# Altium PCB LB-word-PCB.PcbDoc (part 1 of 4) (continued)
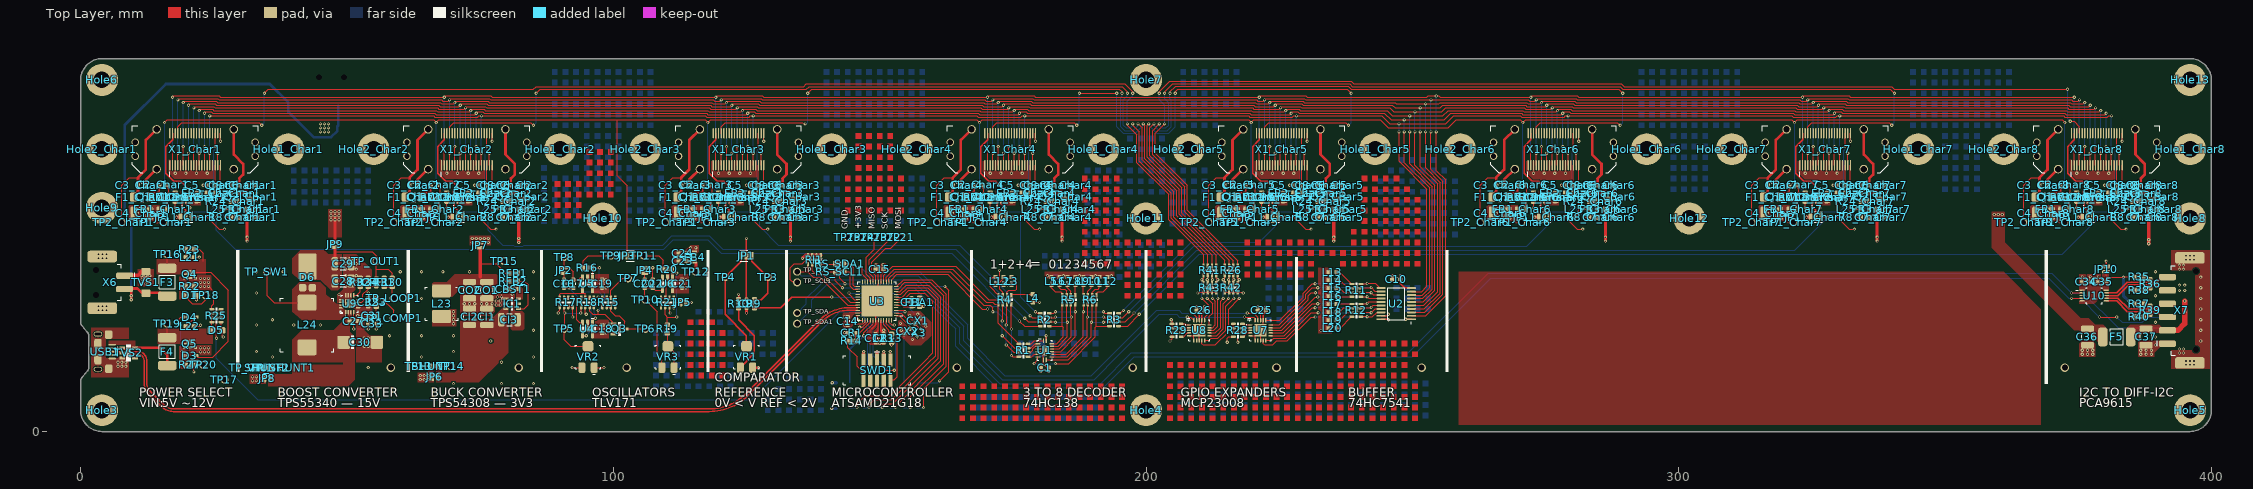
[diagram p0: Top Layer view]
## Components (designator, comment, footprint, x,y, rotation, side; value= is the part's Value field where it differs from the comment) (continued)
F2_Char7 "PTC" PTC0603 335,44.75 r180 top (schematic designator F2)
F2_Char8 "PTC" PTC0603 386,44.75 r180 top (schematic designator F2)
F3 "PTC" 1812 16.25,28.05 r90 top
F4 "PTC" 1812 16.25,15 r90 top
F5 "PTC" 1812 382.25,17.75 r0 top
FB1_Char1 "FB" F0603_N 15.5,41.75 r0 top (schematic designator FB1)
FB1_Char2 "FB" F0603_N 66.5,41.75 r0 top (schematic designator FB1)
FB1_Char3 "FB" F0603_N 117.5,41.75 r0 top (schematic designator FB1)
FB1_Char4 "FB" F0603_N 168.5,41.75 r0 top (schematic designator FB1)
FB1_Char5 "FB" F0603_N 219.5,41.75 r0 top (schematic designator FB1)
FB1_Char6 "FB" F0603_N 270.5,41.75 r0 top (schematic designator FB1)
FB1_Char7 "FB" F0603_N 321.5,41.75 r0 top (schematic designator FB1)
FB1_Char8 "FB" F0603_N 372.5,41.75 r0 top (schematic designator FB1)
FB2_Char1 "FB" F0603_N 24.5,44.75 r0 top (schematic designator FB2)
FB2_Char2 "FB" F0603_N 75.5,44.75 r0 top (schematic designator FB2)
FB2_Char3 "FB" F0603_N 126.5,44.75 r0 top (schematic designator FB2)
FB2_Char4 "FB" F0603_N 177.5,44.75 r0 top (schematic designator FB2)
FB2_Char5 "FB" F0603_N 228.5,44.75 r0 top (schematic designator FB2)
FB2_Char6 "FB" F0603_N 279.5,44.75 r0 top (schematic designator FB2)
FB2_Char7 "FB" F0603_N 330.5,44.75 r0 top (schematic designator FB2)
FB2_Char8 "FB" F0603_N 381.5,44.75 r0 top (schematic designator FB2)
FB3_Char1 "FB" F0603_N 32,41.75 r0 top (schematic designator FB3)
FB3_Char2 "FB" F0603_N 83,41.75 r0 top (schematic designator FB3)
FB3_Char3 "FB" F0603_N 134,41.75 r0 top (schematic designator FB3)
FB3_Char4 "FB" F0603_N 185,41.75 r0 top (schematic designator FB3)
FB3_Char5 "FB" F0603_N 236,41.75 r0 top (schematic designator FB3)
FB3_Char6 "FB" F0603_N 287,41.75 r0 top (schematic designator FB3)
FB3_Char7 "FB" F0603_N 338,41.75 r0 top (schematic designator FB3)
FB3_Char8 "FB" F0603_N 389,41.75 r0 top (schematic designator FB3)
FB4 "Ferrite Bead" F0603_N 115.25,32.75 r90 top
FBA1 "FB" F0603_N 157.5,24.25 r270 top
Hole1_Char1 "" "M3 PLATED HOLE" 39,53 r90 top (schematic designator Hole1)
Hole1_Char2 "" "M3 PLATED HOLE" 90,53 r90 top (schematic designator Hole1)
Hole1_Char3 "" "M3 PLATED HOLE" 141,53 r90 top (schematic designator Hole1)
Hole1_Char4 "" "M3 PLATED HOLE" 192,53 r90 top (schematic designator Hole1)
Hole1_Char5 "" "M3 PLATED HOLE" 243,53 r90 top (schematic designator Hole1)
Hole1_Char6 "" "M3 PLATED HOLE" 294,53 r90 top (schematic designator Hole1)
Hole1_Char7 "" "M3 PLATED HOLE" 345,53 r90 top (schematic designator Hole1)
Hole1_Char8 "" "M3 PLATED HOLE" 396,53 r90 top (schematic designator Hole1)
Hole2_Char1 "" "M3 PLATED HOLE" 4,53 r90 top (schematic designator Hole2)
Hole2_Char2 "" "M3 PLATED HOLE" 55,53 r90 top (schematic designator Hole2)
Hole2_Char3 "" "M3 PLATED HOLE" 106,53 r90 top (schematic designator Hole2)
Hole2_Char4 "" "M3 PLATED HOLE" 157,53 r90 top (schematic designator Hole2)
Hole2_Char5 "" "M3 PLATED HOLE" 208,53 r90 top (schematic designator Hole2)
Hole2_Char6 "" "M3 PLATED HOLE" 259,53 r90 top (schematic designator Hole2)
Hole2_Char7 "" "M3 PLATED HOLE" 310,53 r90 top (schematic designator Hole2)
Hole2_Char8 "" "M3 PLATED HOLE" 361,53 r90 top (schematic designator Hole2)
Hole3 "=Footprint" "M3 PLATED HOLE" 4,4 r0 top
Hole4 "=Footprint" "M3 PLATED HOLE" 200,4 r0 top
Hole5 "=Footprint" "M3 PLATED HOLE" 396,4 r0 top
Hole6 "=Footprint" "M3 PLATED HOLE" 4,66 r0 top
Hole7 "=Footprint" "M3 PLATED HOLE" 200,66 r0 top
Hole8 "=Footprint" "M3 Plated Hole" 396,40 r0 top
Hole9 "=Footprint" "M3 Plated Hole" 4,42 r0 top
Hole10 "=Footprint" "M3 Plated Hole" 98,40 r0 top
Hole11 "=Footprint" "M3 Plated Hole" 200,40 r0 top
Hole12 "=Footprint" "M3 Plated Hole" 302,40 r0 top
Hole13 "=Footprint" "M3 PLATED HOLE" 396,66 r0 top
IC1 "TPS54308" SOT23 81,24 r0 top
JP1 "Jumper 3W" "JUMPER SMD 3W NO" 125,33 r0 top
JP2 "Jumper 2W" "JUMPER SMD 2W NO" 90.75,30.25 r90 top
JP3 "Jumper 3W" "JUMPER SMD 3W NO" 102.65,33 r180 top
JP4 "Jumper 2W" "JUMPER SMD 2W NO" 105.9,30.25 r270 top
JP5 "Jumper 2W" "JUMPER SMD 2W NO" 113.15,24.25 r180 top
JP6 "Jumper 2W" "JUMPER SMD 2W NO" 66.5,10.25 r0 top
JP7 "Jumper 2W" "JUMPER SMD 2W NO" 75,35 r90 top
JP8 "Jumper 2W" "JUMPER SMD 2W NO" 35,10 r0 top
JP9 "Jumper 2W" "JUMPER SMD 2W NO" 47.75,35.125 r90 top
JP10 "Jumper 2W" "JUMPER SMD 2W NO" 380.25,30.5 r270 top
JP11_Char1 "Jumper 3W" "Jumper SMD 3W NO" 19.75,40.25 r180 top (schematic designator JP11)
JP11_Char2 "Jumper 3W" "Jumper SMD 3W NO" 70.75,40.25 r180 top (schematic designator JP11)
JP11_Char3 "Jumper 3W" "Jumper SMD 3W NO" 121.75,40.25 r180 top (schematic designator JP11)
JP11_Char4 "Jumper 3W" "Jumper SMD 3W NO" 172.75,40.25 r180 top (schematic designator JP11)
JP11_Char5 "Jumper 3W" "Jumper SMD 3W NO" 223.75,40.25 r180 top (schematic designator JP11)
JP11_Char6 "Jumper 3W" "Jumper SMD 3W NO" 274.75,40.25 r180 top (schematic designator JP11)
JP11_Char7 "Jumper 3W" "Jumper SMD 3W NO" 325.75,40.25 r180 top (schematic designator JP11)
JP11_Char8 "Jumper 3W" "Jumper SMD 3W NO" 376.75,40.25 r180 top (schematic designator JP11)
L1 "LED" "LED 0603/1608" 171.75,28.25 r270 top
L2 "LED" "LED 0603/1608" 173.25,28.25 r270 top
L3 "LED" "LED 0603/1608" 174.75,28.25 r270 top
L4 "LED" "LED 0603/1608" 178.75,25 r270 top
L5 "LED" "LED 0603/1608" 182.25,28.25 r270 top
L6 "LED" "LED 0603/1608" 183.75,28.25 r270 top
L7 "LED" "LED 0603/1608" 185.25,28.25 r270 top
L8 "LED" "LED 0603/1608" 186.75,28.25 r270 top
L9 "LED" "LED 0603/1608" 188.25,28.25 r270 top
L10 "LED" "LED 0603/1608" 189.75,28.25 r270 top
L11 "LED" "LED 0603/1608" 191.25,28.25 r270 top
L12 "LED" "LED 0603/1608" 192.75,28.25 r270 top
L13 "LED" "LED 0603/1608" 235,29.925 r180 top
L14 "LED" "LED 0603/1608" 235,28.425 r180 top
L15 "LED" "LED 0603/1608" 235,26.925 r180 top
L16 "LED" "LED 0603/1608" 235,25.425 r180 top
L17 "LED" "LED 0603/1608" 235,23.925 r180 top
L18 "LED" "LED 0603/1608" 235,22.425 r180 top
L19 "LED" "LED 0603/1608" 235,20.925 r180 top
L20 "LED" "LED 0603/1608" 235,19.425 r180 top
L21 "LED" "LED 0603/1608" 20.5,32.75 r0 top
L22 "LED" "LED 0603/1608" 20.5,19.75 r180 top
L23 "SRP7028" "INDUCTOR SRP7028" 67.75,24 r90 top value=15uH
L24 "Inductor" "INDUCTOR SRP1040" 42.5,20 r90 top
L25_Char1 "LED" "LED 0603/1608" 29,41.75 r180 top (schematic designator L25)
L25_Char2 "LED" "LED 0603/1608" 80,41.75 r180 top (schematic designator L25)
L25_Char3 "LED" "LED 0603/1608" 131,41.75 r180 top (schematic designator L25)
L25_Char4 "LED" "LED 0603/1608" 182,41.75 r180 top (schematic designator L25)
L25_Char5 "LED" "LED 0603/1608" 233,41.75 r180 top (schematic designator L25)
L25_Char6 "LED" "LED 0603/1608" 284,41.75 r180 top (schematic designator L25)
L25_Char7 "LED" "LED 0603/1608" 335,41.75 r180 top (schematic designator L25)
L25_Char8 "LED" "LED 0603/1608" 386,41.75 r180 top (schematic designator L25)
Q1_Char1 "SIA483DJ-T1-GE3" SC70-6L 15.5,44 r90 top (schematic designator Q1)
Q1_Char2 "SIA483DJ-T1-GE3" SC70-6L 66.5,44 r90 top (schematic designator Q1)
Q1_Char3 "SIA483DJ-T1-GE3" SC70-6L 117.5,44 r90 top (schematic designator Q1)
Q1_Char4 "SIA483DJ-T1-GE3" SC70-6L 168.5,44 r90 top (schematic designator Q1)
Q1_Char5 "SIA483DJ-T1-GE3" SC70-6L 219.5,44 r90 top (schematic designator Q1)
Q1_Char6 "SIA483DJ-T1-GE3" SC70-6L 270.5,44 r90 top (schematic designator Q1)
Q1_Char7 "SIA483DJ-T1-GE3" SC70-6L 321.5,44 r90 top (schematic designator Q1)
Q1_Char8 "SIA483DJ-T1-GE3" SC70-6L 372.5,44 r90 top (schematic designator Q1)
Q2_Char1 "SIA483DJ-T1-GE3" SC70-6L 32,44 r90 top (schematic designator Q2)
Q2_Char2 "SIA483DJ-T1-GE3" SC70-6L 83,44 r90 top (schematic designator Q2)
Q2_Char3 "SIA483DJ-T1-GE3" SC70-6L 134,44 r90 top (schematic designator Q2)
Q2_Char4 "SIA483DJ-T1-GE3" SC70-6L 185,44 r90 top (schematic designator Q2)
Q2_Char5 "SIA483DJ-T1-GE3" SC70-6L 236,44 r90 top (schematic designator Q2)
Q2_Char6 "SIA483DJ-T1-GE3" SC70-6L 287,44 r90 top (schematic designator Q2)
Q2_Char7 "SIA483DJ-T1-GE3" SC70-6L 338,44 r90 top (schematic designator Q2)
Q2_Char8 "SIA483DJ-T1-GE3" SC70-6L 389,44 r90 top (schematic designator Q2)
Q3 "MOSFET N CH" SOT23_N 101.15,19.25 r0 top
Q4 "SIA483DJ-T1-GE3" SC70-6L 20.5,29.55 r270 top
Q5 "SIA483DJ-T1-GE3" SC70-6L 20.5,16.5 r270 top
R1 "YC164; 220R" YC164 177,15.25 r270 top value=220R
R2 "YC164; 220R" YC164 181,21 r90 top value=220R
R3 "YC164; 220R" YC164 194,21 r270 top value=220R
R4 "YC164; 1k" YC164 173.5,24.75 r0 top value=1k
R5 "YC164; 1k" YC164 185.5,24.75 r0 top value=1k
R6 "YC164; 1k" YC164 189.5,24.75 r0 top value=1k
R7_Char1 "10k" R0603 17.75,44 r90 top (schematic designator R7)
R7_Char2 "10k" R0603 68.75,44 r90 top (schematic designator R7)
R7_Char3 "10k" R0603 119.75,44 r90 top (schematic designator R7)
R7_Char4 "10k" R0603 170.75,44 r90 top (schematic designator R7)
R7_Char5 "10k" R0603 221.75,44 r90 top (schematic designator R7)
R7_Char6 "10k" R0603 272.75,44 r90 top (schematic designator R7)
R7_Char7 "10k" R0603 323.75,44 r90 top (schematic designator R7)
R7_Char8 "10k" R0603 374.75,44 r90 top (schematic designator R7)
R8_Char1 "10k" R0603 29,40.25 r0 top (schematic designator R8)
R8_Char2 "10k" R0603 80,40.25 r0 top (schematic designator R8)
R8_Char3 "10k" R0603 131,40.25 r0 top (schematic designator R8)
R8_Char4 "10k" R0603 182,40.25 r0 top (schematic designator R8)
R8_Char5 "10k" R0603 233,40.25 r0 top (schematic designator R8)
R8_Char6 "10k" R0603 284,40.25 r0 top (schematic designator R8)
R8_Char7 "10k" R0603 335,40.25 r0 top (schematic designator R8)
R8_Char8 "10k" R0603 386,40.25 r0 top (schematic designator R8)
R9 "1k" R0603 126.5,24 r90 top
R10 "1k" R0603 123.5,24 r270 top
R11 "YC164; 1k" YC164 239.5,26.5 r90 top value=1k
R12 "YC164; 1k" YC164 239.5,22.75 r90 top value=1k
R13 "10k" R0603 152.25,17.5 r270 top
R14 "330R" R0603 144.75,17 r0 top
R15 "YC164; 100k" YC164 99.15,24.25 r0 top value=100k
R16 "120R" R0603 95.15,30.75 r180 top
R17 "YC164; 100k" YC164 91.15,24.25 r0 top value=100k
R18 "YC164; 100k" YC164 95.15,24.25 r0 top value=100k
R19 "1k" R0603 110.15,19.25 r90 top
R20 "120R" R0603 110.15,30.5 r180 top
R21 "YC164; 100k" YC164 110.15,24.25 r0 top value=100k
R22 "10k" R0603 20.5,27.3 r0 top
R23 "10k" R0603 20.5,34.25 r0 top
R24_Char1 "10k" R0603 29,43.25 r180 top (schematic designator R24)
R24_Char2 "10k" R0603 80,43.25 r180 top (schematic designator R24)
R24_Char3 "10k" R0603 131,43.25 r180 top (schematic designator R24)
R24_Char4 "10k" R0603 182,43.25 r180 top (schematic designator R24)
R24_Char5 "10k" R0603 233,43.25 r180 top (schematic designator R24)
R24_Char6 "10k" R0603 284,43.25 r180 top (schematic designator R24)
R24_Char7 "10k" R0603 335,43.25 r180 top (schematic designator R24)
R24_Char8 "10k" R0603 386,43.25 r180 top (schematic designator R24)
R25 "YC164; 10k" YC164 25.5,21.75 r270 top value=10k
R26 "YC164; 4k7" YC164 216,30.25 r0 top value=4k7
R27 "10k" R0603 20.5,12.5 r180 top
R28 "YC164; 2k" YC164 217.25,19 r270 top value=2k
R29 "YC164; 2k" YC164 205.75,19 r270 top value=2k
R30 "50R" R0603 58.5,28 r90 top
R31 "112k" R0603 57,28 r270 top
R32 "78k7" R0603 52.5,28 r270 top
R33 "2k5" R0603 55.5,24.25 r90 top
R34 "10k" R0603 54,28 r270 top
R35 "600" R0603 386.5,29.027 r180 top
R36 "120R" R0603 388.5,27.75 r90 top
R37 "600" R0603 386.5,24.027 r180 top
R38 "600" R0603 386.5,26.527 r0 top
R39 "120R" R0603 388.5,22.777 r90 top
R40 "600" R0603 386.5,21.527 r0 top
R41 "YC164; 4k7" YC164 212,30.25 r0 top value=4k7
R42 "YC164; 2k" YC164 216,27 r0 top value=2k
R43 "YC164; 2k" YC164 212,27 r0 top value=2k
RFB1 "100k" R0603 81.25,29.75 r180 top
RFB2 "22k" R0603 81.25,28.25 r0 top
RI1 "YC164; 4k7" YC164 137.75,32.25 r0 top value=4k7
RS_SCL1 "RsI2C" R0603 142.5,30 r180 top
RS_SDA1 "RsI2C" R0603 142.5,31.5 r180 top
SHUNT1 "0R5" R0603 66.5,12.25 r0 top
SHUNT2 "0R5" R0603 35,12 r0 top
SWD1 "20021521-00010T1LF" "HEADER 10P 50MIL" 149.5,11.5 r180 top
TP1_Char1 "Test Point" TESTPOINT-1.2MM#1 15.5,39.25 r90 top (schematic designator TP1)
TP1_Char2 "Test Point" TESTPOINT-1.2MM#1 66.5,39.25 r90 top (schematic designator TP1)
TP1_Char3 "Test Point" TESTPOINT-1.2MM#1 117.5,39.25 r90 top (schematic designator TP1)
TP1_Char4 "Test Point" TESTPOINT-1.2MM#1 168.5,39.25 r90 top (schematic designator TP1)
TP1_Char5 "Test Point" TESTPOINT-1.2MM#1 219.5,39.25 r90 top (schematic designator TP1)
TP1_Char6 "Test Point" TESTPOINT-1.2MM#1 270.5,39.25 r90 top (schematic designator TP1)
TP1_Char7 "Test Point" TESTPOINT-1.2MM#1 321.5,39.25 r90 top (schematic designator TP1)
TP1_Char8 "Test Point" TESTPOINT-1.2MM#1 372.5,39.25 r90 top (schematic designator TP1)
TP2_Char1 "Test Point" TESTPOINT-1.2MM#1 7.75,39.25 r90 top (schematic designator TP2)
TP2_Char2 "Test Point" TESTPOINT-1.2MM#1 58.75,39.25 r90 top (schematic designator TP2)
TP2_Char3 "Test Point" TESTPOINT-1.2MM#1 109.75,39.25 r90 top (schematic designator TP2)
TP2_Char4 "Test Point" TESTPOINT-1.2MM#1 160.75,39.25 r90 top (schematic designator TP2)
TP2_Char5 "Test Point" TESTPOINT-1.2MM#1 211.75,39.25 r90 top (schematic designator TP2)
TP2_Char6 "Test Point" TESTPOINT-1.2MM#1 262.75,39.25 r90 top (schematic designator TP2)
TP2_Char7 "Test Point" TESTPOINT-1.2MM#1 313.75,39.25 r90 top (schematic designator TP2)
TP2_Char8 "Test Point" TESTPOINT-1.2MM#1 364.75,39.25 r90 top (schematic designator TP2)
TP3 "Test Point" TESTPOINT-1.2MM#1 129,29 r270 top
TP4 "Test Point" TESTPOINT-1.2MM#2 121.5,29 r270 top
TP5 "Test Point" TESTPOINT-1.2MM#3 91,19.25 r90 top
TP6 "Test Point" TESTPOINT-1.2MM#1 106,19.25 r180 top
TP7 "Test Point" TESTPOINT-1.2MM#1 102.75,28.75 r180 top
TP8 "Test Point" TESTPOINT-1.2MM#1 90.75,32.75 r180 top
TP9 "Test Point" TESTPOINT-1.2MM#1 99.5,33 r180 top
TP10 "Test Point" TESTPOINT-1.2MM#1 106,24.75 r180 top
TP11 "Test Point" TESTPOINT-1.2MM#1 105.75,33 r180 top
TP12 "Test Point" TESTPOINT-1.2MM#1 115.5,30 r180 top
TP13 "Test Point" TESTPOINT-1.2MM#1 63.5,12.25 r90 top
TP14 "Test Point" TESTPOINT-1.2MM#1 69.5,12.25 r90 top
TP15 "Test Point" TESTPOINT-1.2MM#3 79.5,31.75 r0 top
TP16 "Test Point" TESTPOINT-1.2MM#1 16.25,33.3 r90 top
TP17 "Test Point" TESTPOINT-1.2MM#1 27,9.75 r90 top
TP18 "Test Point" TESTPOINT-1.2MM#1 23.5,25.55 r90 top
TP19 "Test Point" TESTPOINT-1.2MM#1 16.25,20.25 r90 top
TP20 "Test Point" TESTPOINT-1.2MM#1 23,12.5 r90 top
TP21 "Test Point" TestPoint-1.2mm#1 154,36.5 r90 top
TP22 "Test Point" TestPoint-1.2mm#1 151.5,36.5 r90 top
TP23 "Test Point" TestPoint-1.2mm#1 149,36.5 r90 top
TP24 "Test Point" TestPoint-1.2mm#1 146.5,36.5 r90 top
TP25 "Test Point" TestPoint-1.2mm#1 144,36.5 r90 top
TP_COMP1 "Test Point" TESTPOINT-1.2MM#1 58.75,21.25 r0 top
TP_LOOP1 "Test Point" TESTPOINT-1.2MM#1 58.75,25 r0 top
TP_OUT1 "Test Point" TESTPOINT-1.2MM#4 55.5,31.75 r180 top
TP_SCL "Test Point" TestPoint-1.2mm#1 134.5,30 r90 top
TP_SCL1 "Test Point" TestPoint-1.2mm#2 161.25,17.75 r90 top
TP_SDA "Test Point" TestPoint-1.2mm#1 134.5,22.25 r90 top
TP_SDA1 "Test Point" TestPoint-1.2mm#1 134.5,20.25 r90 top
TP_SHUNT1 "Test Point" TESTPOINT-1.2MM#1 38,12 r180 top
TP_SW1 "Test Point" TESTPOINT-1.2MM#1 35,30 r180 top
TP_VIN1 "Test Point" TESTPOINT-1.2MM#1 32,12 r180 top
TVS1 "824521121" "DO214AC SMA" 12.25,28 r90 top
TVS2 "TPD3E001" SOT23-5_N 9,14.75 r0 top
U1 "74HC138" DHVQFN16 181,15.25 r0 top
U2 "74HC7541" TSSOP20_N 247,24 r180 top
U3 "ATSAMD21G18" QFN48_M 149.5,24.5 r180 top
U4 "TLV171" SOT23-5_N 95.15,19.25 r270 top
U5 "TLV171" SOT23-5_N 95.15,27.75 r270 top
U6 "TLV171" SOT23-5_N 110.15,27.75 r270 top
U7 "MCP23008" QFN20 221.5,19 r270 top
U8 "MCP23008" QFN20 210,19 r270 top
U9 "TPS55340" QFN16 50.5,24 r0 top
U10 "PCA9615" TSSOP10 378,25.527 r0 top
U11_Char1 "74LVC1G125" SC70-5 19.75,44 r90 top (schematic designator U11)
U11_Char2 "74LVC1G125" SC70-5 70.75,44 r90 top (schematic designator U11)
U11_Char3 "74LVC1G125" SC70-5 121.75,44 r90 top (schematic designator U11)
U11_Char4 "74LVC1G125" SC70-5 172.75,44 r90 top (schematic designator U11)
U11_Char5 "74LVC1G125" SC70-5 223.75,44 r90 top (schematic designator U11)
U11_Char6 "74LVC1G125" SC70-5 274.75,44 r90 top (schematic designator U11)
U11_Char7 "74LVC1G125" SC70-5 325.75,44 r90 top (schematic designator U11)
U11_Char8 "74LVC1G125" SC70-5 376.75,44 r90 top (schematic designator U11)
USB1 "USB Micro" "USB MICRO" 3.25,15 r270 top
VR1 "Trimpot" "TRIMPOT 3314" 125,14 r0 top
VR2 "Trimpot" "TRIMPOT 3314" 95.25,14 r0 top
VR3 "Trimpot" "TRIMPOT 3314" 110.25,14 r0 top
X1_Char1 "FX23 Vertical Plug" FX23-40P 21.5,53 r0 top (schematic designator X1)
X1_Char2 "FX23 Vertical Plug" FX23-40P 72.5,53 r0 top (schematic designator X1)
X1_Char3 "FX23 Vertical Plug" FX23-40P 123.5,53 r0 top (schematic designator X1)
X1_Char4 "FX23 Vertical Plug" FX23-40P 174.5,53 r0 top (schematic designator X1)
X1_Char5 "FX23 Vertical Plug" FX23-40P 225.5,53 r0 top (schematic designator X1)
X1_Char6 "FX23 Vertical Plug" FX23-40P 276.5,53 r0 top (schematic designator X1)
X1_Char7 "FX23 Vertical Plug" FX23-40P 327.5,53 r0 top (schematic designator X1)
X1_Char8 "FX23 Vertical Plug" FX23-40P 378.5,53 r0 top (schematic designator X1)
X2 "Connector 2W - TAB" PTSM-2W-H-SMD 47.1,61.15 r0 bottom
X3 "LFXTAL050789" "CRYSTAL 0805" 157.4,18.55 r225 top
X4 "Header 14Pos 7x2" "HEADER 7X2 SMD 2.54MM" 149.5,6.75 r0 bottom
X5 "Connector 10W - TAB" "FPC CONN. 10W 1-84953-0" 391.25,23 r270 bottom
X6 "Connector 2W - TAB" PTSM-2W-H-SMD 8.25,28 r270 top
X7 "1778803" PTSM-6W-H-SMD 391.75,22.75 r90 top

## Footprints (in the part's own frame and the unit in brackets; to place one, negate y for a bottom-side part, rotate by r counter-clockwise, add the part's x,y. Pads: shape width x height; smd on the part's side, far side on the other; paste and mask are expansions set on the pad)
1812 [mm]
  rrect50% 1.78x3.5 smd: 1(-2.615,0) 2(2.615,0)
  silkscreen extent -1.25,-1.5 1.25,1.5, body extent -2.5,-1.75 2.5,1.75, height 1
"2917 - CASE D" [mm] "2917 Case D 7343"
  rrect20% 2.37x2.43 smd: 1(-3.12,0) 2(3.12,0)
  silkscreen extent -1.7,-1.2 -1.2,1.2, body extent -3.8,-2.3 3.8,2.3, height 3.11
C0603_N [mm] "Capacitor, Yageo CC Class2, SM0603, IPC Medium Density"
  rrect50% 0.8x0.8 smd: 1(-0.75,0) 2(0.75,0)
  silkscreen extent -0.15,-0.4 0.15,0.4, body extent -0.9,-0.5 0.9,0.5, height 0.9
C1206_N [mm] "Capacitor, Yageo CC Class2, SM1206, IPC Medium Density"
  rrect50% 1.4x1.9 smd: 1(-1.527,0) 2(1.527,0)
  silkscreen extent -0.3,-0.85 0.3,0.85, body extent -1.75,-0.95 1.75,0.95, height 1.8
C1210_N [mm] "Capacitor, Yageo CC Class2, SM1210, IPC Medium Density"
  rrect50% 1.2x2.5 smd: 1(-1.527,0) 2(1.527,0)
  silkscreen extent -0.5,-1.1 0.5,1.1, body extent -1.75,-1.35 1.75,1.35, height 1.8
"CRYSTAL 0805" [mm]
  rrect20% 0.6x1.1 smd: 1(-0.7,0) 2(0.7,0)
  body extent -1.1,-0.6 1,0.6, height 7.5
DHVQFN16 [mm]
  rrect20% 0.24x0.9 smd paste-0.025: 1(-0.25,1.8) 8(-0.25,-1.8) 9(0.25,-1.8) 16(0.25,1.8)
  rrect20% 0.9x0.24 smd paste-0.025: 2(-1.3,1.25) 3(-1.3,0.75) 4(-1.3,0.25) 5(-1.3,-0.25) 6(-1.3,-0.75) 7(-1.3,-1.25) 10(1.3,-1.25) 11(1.3,-0.75) 12(1.3,-0.25) 13(1.3,0.25) 14(1.3,0.75) 15(1.3,1.25)
  rrect20% 0.9x1.9 smd paste-2: PAD(0,0)
  silkscreen extent -1.4,-1.9 1.4,2.2, body extent -1.3,-1.8 1.3,1.8, height 1
"DO214AC SMA" [mm] "Molded Diode, 2-Leads, Body 4.30x2.60mm, IPC Medium Density"
  rrect20% 1.4x1.64 smd: 1(-2.015,0) 2(2.015,0)
  silkscreen extent 1,-0.5 1,0.5, body extent -2.6,-1.37 2.6,1.37, height 2.4
F0603_N [mm] "Ferrite, Vishay"
  rrect50% 0.9x1 smd: 1(-0.8,0) 2(0.8,0)
  silkscreen extent -0.1,-0.25 0.1,0.25, body extent -0.8,-0.4 0.8,0.4, height 0.45
"FPC CONN. 10W 1-84953-0" [mm] "10W TE FPC Connector SMD Right angle 1mm"
  rrect100% 0.5x2 smd: 1(-4.5,0) 2(-3.5,0) 3(-2.5,0) 4(-1.5,0) 5(-0.5,0) 6(0.5,0) 7(1.5,0) 8(2.5,0) 9(3.5,0) 10(4.5,0)
  rrect50% 2.68x3.6 smd: TAB(-7.49,-2.8) TAB(7.49,-2.8)
  silkscreen extent -8.9,-6.5 8.9,1.25, body extent -8.96,-6.55 8.95,0, height 2.56
FX23-40P [mm] "Hirose FX23 40 Pin Vertical"
  rrect100% 0.25x1.9 smd: 1(-4.75,-3) 2(-4.25,-3) 3(-3.75,-3) 4(-3.25,-3) 5(-2.75,-3) 6(-2.25,-3) 7(-1.75,-3) 8(-1.25,-3) 9(-0.75,-3) 10(-0.25,-3) 11(0.25,-3) 12(0.75,-3) 13(1.25,-3) 14(1.75,-3) 15(2.25,-3) 16(2.75,-3) 17(3.25,-3) 18(3.75,-3) 19(4.25,-3) 20(4.75,-3) 21(-4.75,3) 22(-4.25,3) 23(-3.75,3) 24(-3.25,3) 25(-2.75,3) 26(-2.25,3) 27(-1.75,3) 28(-1.25,3) 29(-0.75,3) 30(-0.25,3) 31(0.25,3) 32(0.75,3) 33(1.25,3) 34(1.75,3) 35(2.25,3) 36(2.75,3) 37(3.25,3) 38(3.75,3) 39(4.25,3) 40(4.75,3)
  round 1.6 hole 1.2: PWR1(-7.25,-3.725) PWR2(7.25,-3.725) PWR3(-7.25,3.725) PWR4(7.25,3.725)
  round 1.4 hole 1: TAB1(-11.25,-1.3) TAB1(-11.25,1.3) TAB2(11.25,-1.3) TAB2(11.25,1.3)
  silkscreen extent -11.8,-5.2 11.8,4.4, body extent -11.85,-4.45 11.85,4.45, height 12.75
"HEADER 7X2 SMD 2.54MM" [mm] "Preci DIP Series 803-87-014-30-001101"
  rrect50% 0.8x3.2 smd: 1(-7.62,-2.4) 2(-5.08,-2.4) 3(-2.54,-2.4) 4(0,-2.4) 5(2.54,-2.4) 6(5.08,-2.4) 7(7.62,-2.4) 8(7.62,2.4) 9(5.08,2.4) 10(2.54,2.4) 11(0,2.4) 12(-2.54,2.4) 13(-5.08,2.4) 14(-7.62,2.4)
  silkscreen extent -8.89,-3.81 -8.39,-3.81, body extent -8.89,-3.41 8.89,3.93, height 5.6
"HEADER 10P 50MIL" [mm] "20021521-00010T1LF"
  rect 0.76x2.4 smd: 1(-2.54,-1.95) 2(-2.54,1.95) 3(-1.27,-1.95) 4(-1.27,1.95) 5(0,-1.95) 6(0,1.95) 7(1.27,-1.95) 8(1.27,1.95) 9(2.54,-1.95) 10(2.54,1.95)
  silkscreen extent -6.3,-3.5 6.3,2.7, body extent -6.3,-2.75 6.35,2.75, height 5.55
"INDUCTOR SRP1040" [mm] "Wurth 1040, Bourns 1040, 10mm x 10mm x 4mm"
  rrect20% 3x3.5 smd: 1(-4.2,0) 2(4.2,0)
  silkscreen extent -5,-5 5,5, body extent -5.5,-5 5.5,5, height 3.7
"INDUCTOR SRP7028" [mm] "SRP7028A Inductor SMD"
  rrect15% 2.4x3.5 smd: 1(-2.4,0) 2(2.4,0)
  silkscreen extent -3.1,-3.1 3.1,3.1, body extent -3.45,-3.3 3.45,3.3, height 2.84
"JUMPER SMD 2W NO" [mm]
  rrect50% 0.7x1.5 smd paste-1: 1(-0.5,0) 2(0.5,0)
"JUMPER SMD 3W NO" [mm]
  rrect50% 0.7x1.5 smd paste-1: 1(-1,0) 2(0,0) 3(1,0)
  silkscreen extent -1.25,-1 0.25,1
"Jumper SMD 3W NO" [mm]
  rrect50% 0.7x1.5 smd paste-1: 1(-1,0) 2(0,0) 3(1,0)
  silkscreen extent -1.25,-1 0.25,1
"LED 0603/1608" [mm] "Chip Diode, 2-Leads, Body 1.60x0.80mm, IPC Medium Density"
  rrect30% 0.8x0.8 smd: 1(0.75,0) 2(-0.75,0)
  silkscreen extent 0.13,-0.23 0.13,0.23, body extent -0.8,-0.4 0.8,0.4, height 0.53
"M3 PLATED HOLE" [mm]
  round 6 / inner round 3.5 / far side round 6 hole 3.1 paste-3: 1(0,0)
"M3 Plated Hole" [mm]
  round 6 / inner round 3.5 / far side round 6 hole 3.1 paste-3: 1(0,0)
POWERDI5 [mm]
  rrect50% 1.4x1.39 smd: A(-0.92,-2.856) A(0.92,-2.856)
  rrect10% 3.36x4.86 smd paste-5: K(0,1.126)
  body extent -2,-3.5 2,3.5, height 0.8
PTC0603 [mm] "Chip Resistor; Body 1.6 x 0.9 mm (LxW typ)"
  rrect50% 0.6x0.8 smd: 1(-0.7,0) 2(0.7,0)
  body extent -0.8,-0.4 0.8,0.4, height 0.45
PTSM-2W-H-SMD [mm]
  rrect50% 1.2x3.2 smd: 1(-1.25,0) 2(1.25,0)
  rrect20% 0x0 hole 1.1: 163(-2.35,-5.35) 163(2.35,-5.35)
  rrect50% 2.2x5.6 smd: TAB(-4.85,-4.2) TAB(4.85,-4.2)
  silkscreen extent -3.4,-1.4 3.4,1.9, body extent -5.3,-8.2 5.3,1.3, height 5
PTSM-6W-H-SMD [mm]
  rrect50% 1.2x3.2 smd: 1(-6.25,0) 2(-3.75,0) 3(-1.25,0) 4(1.25,0) 5(3.75,0) 6(6.25,0)
  rrect20% 0x0 hole 1.1: 163(-7.35,-5.35) 163(7.35,-5.35)
  rrect50% 2.2x5.6 smd: TAB(-9.85,-4.2) TAB(9.85,-4.2)
  silkscreen extent -8.4,-1.45 8.4,1.9, body extent -10.3,-8.25 10.3,1.25, height 5
QFN16 [mm] "QFN, 16-Leads, Body 3x3mm, Pitch 0.5mm, IPC Medium Densi"
  oval 0.28x0.85 smd paste-0.025: 1(-0.75,-1.575) 2(-0.25,-1.575) 3(0.25,-1.575) 4(0.75,-1.575) 9(0.75,1.575) 10(0.25,1.575) 11(-0.25,1.575) 12(-0.75,1.575)
  oval 0.85x0.28 smd paste-0.025: 5(1.575,-0.75) 6(1.575,-0.25) 7(1.575,0.25) 8(1.575,0.75) 13(-1.575,0.75) 14(-1.575,0.25) 15(-1.575,-0.25) 16(-1.575,-0.75)
  rect 1.7x1.7 smd paste-2: PAD(0,0)
  silkscreen extent -1.8,-2.8 1.6,1.6, body extent -1.5,-1.5 1.5,1.5, height 0.95
QFN20 [mm] "20-Lead Plastic Quad Flat, No Lead Package (ML) – 4x4x0.9 mm Body [QFN]"
  oval 0.28x0.8 smd paste-0.025: 1(-1,-1.9) 2(-0.5,-1.9) 3(0,-1.9) 4(0.5,-1.9) 5(1,-1.9) 11(1,1.9) 12(0.5,1.9) 13(0,1.9) 14(-0.5,1.9) 15(-1,1.9)
  oval 0.8x0.28 smd paste-0.025: 6(1.9,-1) 7(1.9,-0.5) 8(1.9,0) 9(1.9,0.5) 10(1.9,1) 16(-1.9,1) 17(-1.9,0.5) 18(-1.9,0) 19(-1.9,-0.5) 20(-1.9,-1)
  rect 2.3x2.3 smd paste-2: PAD(0,0)
  silkscreen extent -2.3,-2.58 2,2, body extent -2,-2 2,2, height 0.95
QFN48_M [mm] "QFN, 48-Leads, Body 7x7mm, Pitch 0.5mm, IPC Low Density"
  oval 0.85x0.2 smd: 1(-3.575,2.75) 2(-3.575,2.25) 3(-3.575,1.75) 4(-3.575,1.25) 5(-3.575,0.75) 6(-3.575,0.25) 7(-3.575,-0.25) 8(-3.575,-0.75) 9(-3.575,-1.25) 10(-3.575,-1.75) 11(-3.575,-2.25) 12(-3.575,-2.75) 25(3.575,-2.75) 26(3.575,-2.25) 27(3.575,-1.75) 28(3.575,-1.25) 29(3.575,-0.75) 30(3.575,-0.25) 31(3.575,0.25) 32(3.575,0.75) 33(3.575,1.25) 34(3.575,1.75) 35(3.575,2.25) 36(3.575,2.75)
  oval 0.2x0.85 smd: 13(-2.75,-3.575) 14(-2.25,-3.575) 15(-1.75,-3.575) 16(-1.25,-3.575) 17(-0.75,-3.575) 18(-0.25,-3.575) 19(0.25,-3.575) 20(0.75,-3.575) 21(1.25,-3.575) 22(1.75,-3.575) 23(2.25,-3.575) 24(2.75,-3.575) 37(2.75,3.575) 38(2.25,3.575) 39(1.75,3.575) 40(1.25,3.575) 41(0.75,3.575) 42(0.25,3.575) 43(-0.25,3.575) 44(-0.75,3.575) 45(-1.25,3.575) 46(-1.75,3.575) 47(-2.25,3.575) 48(-2.75,3.575)
  rect 5.8x5.8 smd paste-5: 49(0,0)
  silkscreen extent -4.8,-3.6 3.6,3.6, body extent -3.57,-3.57 3.57,3.57, height 0.9
R0603 [mm] "Chip Resistor; Body 1.6 x 0.9 mm (LxW typ)"
  rrect50% 0.9x1 smd: 1(-0.8,0) 2(0.8,0)
  silkscreen extent -0.15,-0.38 0.15,0.38, body extent -0.8,-0.4 0.8,0.4, height 0.45
SC70-5 [mm] "SOT 353"
  rrect50% 0.5x0.35 smd paste+0: 1(-0.95,0.65) 2(-0.95,0) 3(-0.95,-0.65) 4(0.95,-0.65) 5(0.95,0.65)
  silkscreen extent -2,-0.9 0.4,0.9, body extent -0.75,-1 0.75,1, height 1
SC70-6L [mm]
  rect 0.3x0.35 smd paste+0: D(-0.65,0.925) D(-0.65,-0.925) D(0,0.925) D(0,-0.925)
  rect 0.95x1.5 smd paste-0.2: D(-0.325,0)
  rrect20% 0.5x0.55 smd paste+0: G(0.75,-1.025) S(0.75,1.025)
  rrect20% 0.335x0.87 smd paste+0: S(0.717,0.1)
  body extent -1.02,-1.02 1.02,1.02, height 0.75
SOD323F [mm] "SODFL, 2-Leads, Body 1.25x2.50mm, IPC Medium Density"
  rrect50% 0.8x0.6 smd: A(-1.2,0) K(1.2,0)
  silkscreen extent 0.6,-0.5 0.6,0.5, body extent -1.25,-0.62 1.25,0.63, height 0.8
"SOD323F-COMCHIP VARIANT" [mm] "SODFL, 2-Leads, Body 1.25x2.50mm, IPC Medium Density"
  rrect50% 1.2x1.2 smd: A(-1.1,0) K(1.1,0)
  silkscreen extent 0.23,-0.5 0.23,0.5, body extent -1.25,-0.62 1.25,0.63, height 0.8
SOT23 [mm]
  rrect50% 1x0.5 smd: 1(-1.2,0.95)
  oval 1x0.5 smd: 2(-1.2,0) 3(-1.2,-0.95) 4(1.2,-0.95) 5(1.2,0) 6(1.2,0.95)
  silkscreen extent -1.9,-1.25 0.2,1.25, body extent -1.4,-1.45 1.4,1.45, height 1.26
SOT23-5_N [mm] "SOT23, 5-Leads, Body 2.9x1.6mm, Pitch 0.95mm, Lead Span 2.8mm, IPC Medium Density"
  rrect50% 1.1x0.55 smd: 1(-1.2,0.95) 2(-1.2,0) 3(-1.2,-0.95) 4(1.2,-0.95) 5(1.2,0.95)
  silkscreen extent -2,-1.55 0.4,1.55, body extent -0.9,-1.55 0.9,1.55, height 1.45
SOT23_N [mm] "SOT23, 3-Leads, Body 2.9x1.3mm, Pitch 0.95mm, Lead Span 2.5mm, IPC Medium Density"
  rrect50% 1.15x0.6 smd: 1(-1.125,0.95) 2(1.125,0) 3(-1.125,-0.95)
  silkscreen extent -1.9,-1.3 0.3,1.3, body extent -0.7,-1.5 0.7,1.5, height 1.1
TESTPOINT-1.2MM#1 [mm]
  round 1.5 hole 1: 1(0,0)
TESTPOINT-1.2MM#2 [mm]
  round 1.5 hole 1: 1(0,-0.5)
TESTPOINT-1.2MM#3 [mm]
  round 1.5 hole 1: 1(0,0.25)
TESTPOINT-1.2MM#4 [mm]
  round 1.5 hole 1: 1(0,-0.25)
TestPoint-1.2mm#1 [mm]
  round 1.5 hole 1: 1(0,0)
TestPoint-1.2mm#2 [mm]
  round 1.5 hole 1: 1(10.25,26.75)
"TRIMPOT 3314" [mm] "Bourns 3314"
  rrect50% 1.3x2 smd: 1(1.15,-2) 3(-1.15,-2)
  rrect50% 2x2 smd: 2(0,2)
  silkscreen extent -2.4,-3.2 2.4,2.2, body extent -2.5,-2.5 2.5,2.5, height 2.7
TSSOP10 [mm]
  rrect100% 1x0.25 smd: 1(-2.25,1) 2(-2.25,0.5) 3(-2.25,0) 4(-2.25,-0.5) 5(-2.25,-1) 6(2.25,-1) 7(2.25,-0.5) 8(2.25,0) 9(2.25,0.5) 10(2.25,1)
  silkscreen extent -3.5,-1.5 1.5,1.5, body extent -2.5,-1.5 2.5,1.5, height 1.1
TSSOP20_N [mm] "TSOP, 20-Leads, Body 6.5x4.4mm, Pitch 0.65mm, IPC Medium Density"
  oval 1.7x0.35 smd: 1(-2.85,2.925) 2(-2.85,2.275) 3(-2.85,1.625) 4(-2.85,0.975) 5(-2.85,0.325) 6(-2.85,-0.325) 7(-2.85,-0.975) 8(-2.85,-1.625) 9(-2.85,-2.275) 10(-2.85,-2.925) 11(2.85,-2.925) 12(2.85,-2.275) 13(2.85,-1.625) 14(2.85,-0.975) 15(2.85,-0.325) 16(2.85,0.325) 17(2.85,0.975) 18(2.85,1.625) 19(2.85,2.275) 20(2.85,2.925)
  silkscreen extent -2.8,-3 1.6,3.9, body extent -2.25,-3.3 2.25,3.3, height 1.1
"USB MICRO" [mm] "FCI 10118193-0001LF"
  rrect100% 0.35x1.35 smd: 1(-1.3,2.675) 2(-0.65,2.675) 3(0,2.675) 4(0.65,2.675) 5(1.3,2.675)
  oval 0.9x1.6 hole 0.5 slot 1.2 at 90 deg: Shield(-3.3,0) Shield(3.3,0)
  rrect50% 1.6x1.4 smd: Shield(-3.2,2) Shield(3.2,2)
  rrect50% 1.9x1.4 smd: Shield(-1.45,0) Shield(1.45,0)
  body extent -3.93,-2.75 3.93,2.91, height 2.81
YC164 [mm] "4 × 0603 (8P4R)  Resistor Array SMD"
  rrect50% 0.45x0.9 smd: 1(-1.2,-0.85) 2(-0.4,-0.85) 3(0.4,-0.85) 4(1.2,-0.85) 5(1.2,0.85) 6(0.4,0.85) 7(-0.4,0.85) 8(-1.2,0.85)
  silkscreen extent -1.5,-0.2 1.5,0.2, body extent -1.68,-0.88 1.68,0.88, height 0.71
? [mm] "SODFL, 2-Leads, Body 1.25x2.50mm, IPC Medium Density"
  rrect50% 1.2x1.2 smd: 1(-1.1,0) 2(1.1,0)
  silkscreen extent 0.3,-0.5 0.3,0.5, body extent -1.25,-0.62 1.25,0.63, height 0.8